# Altium PCB MU_MP_39_V1_ASMB.PcbDoc (part 9 of 15) (continued)
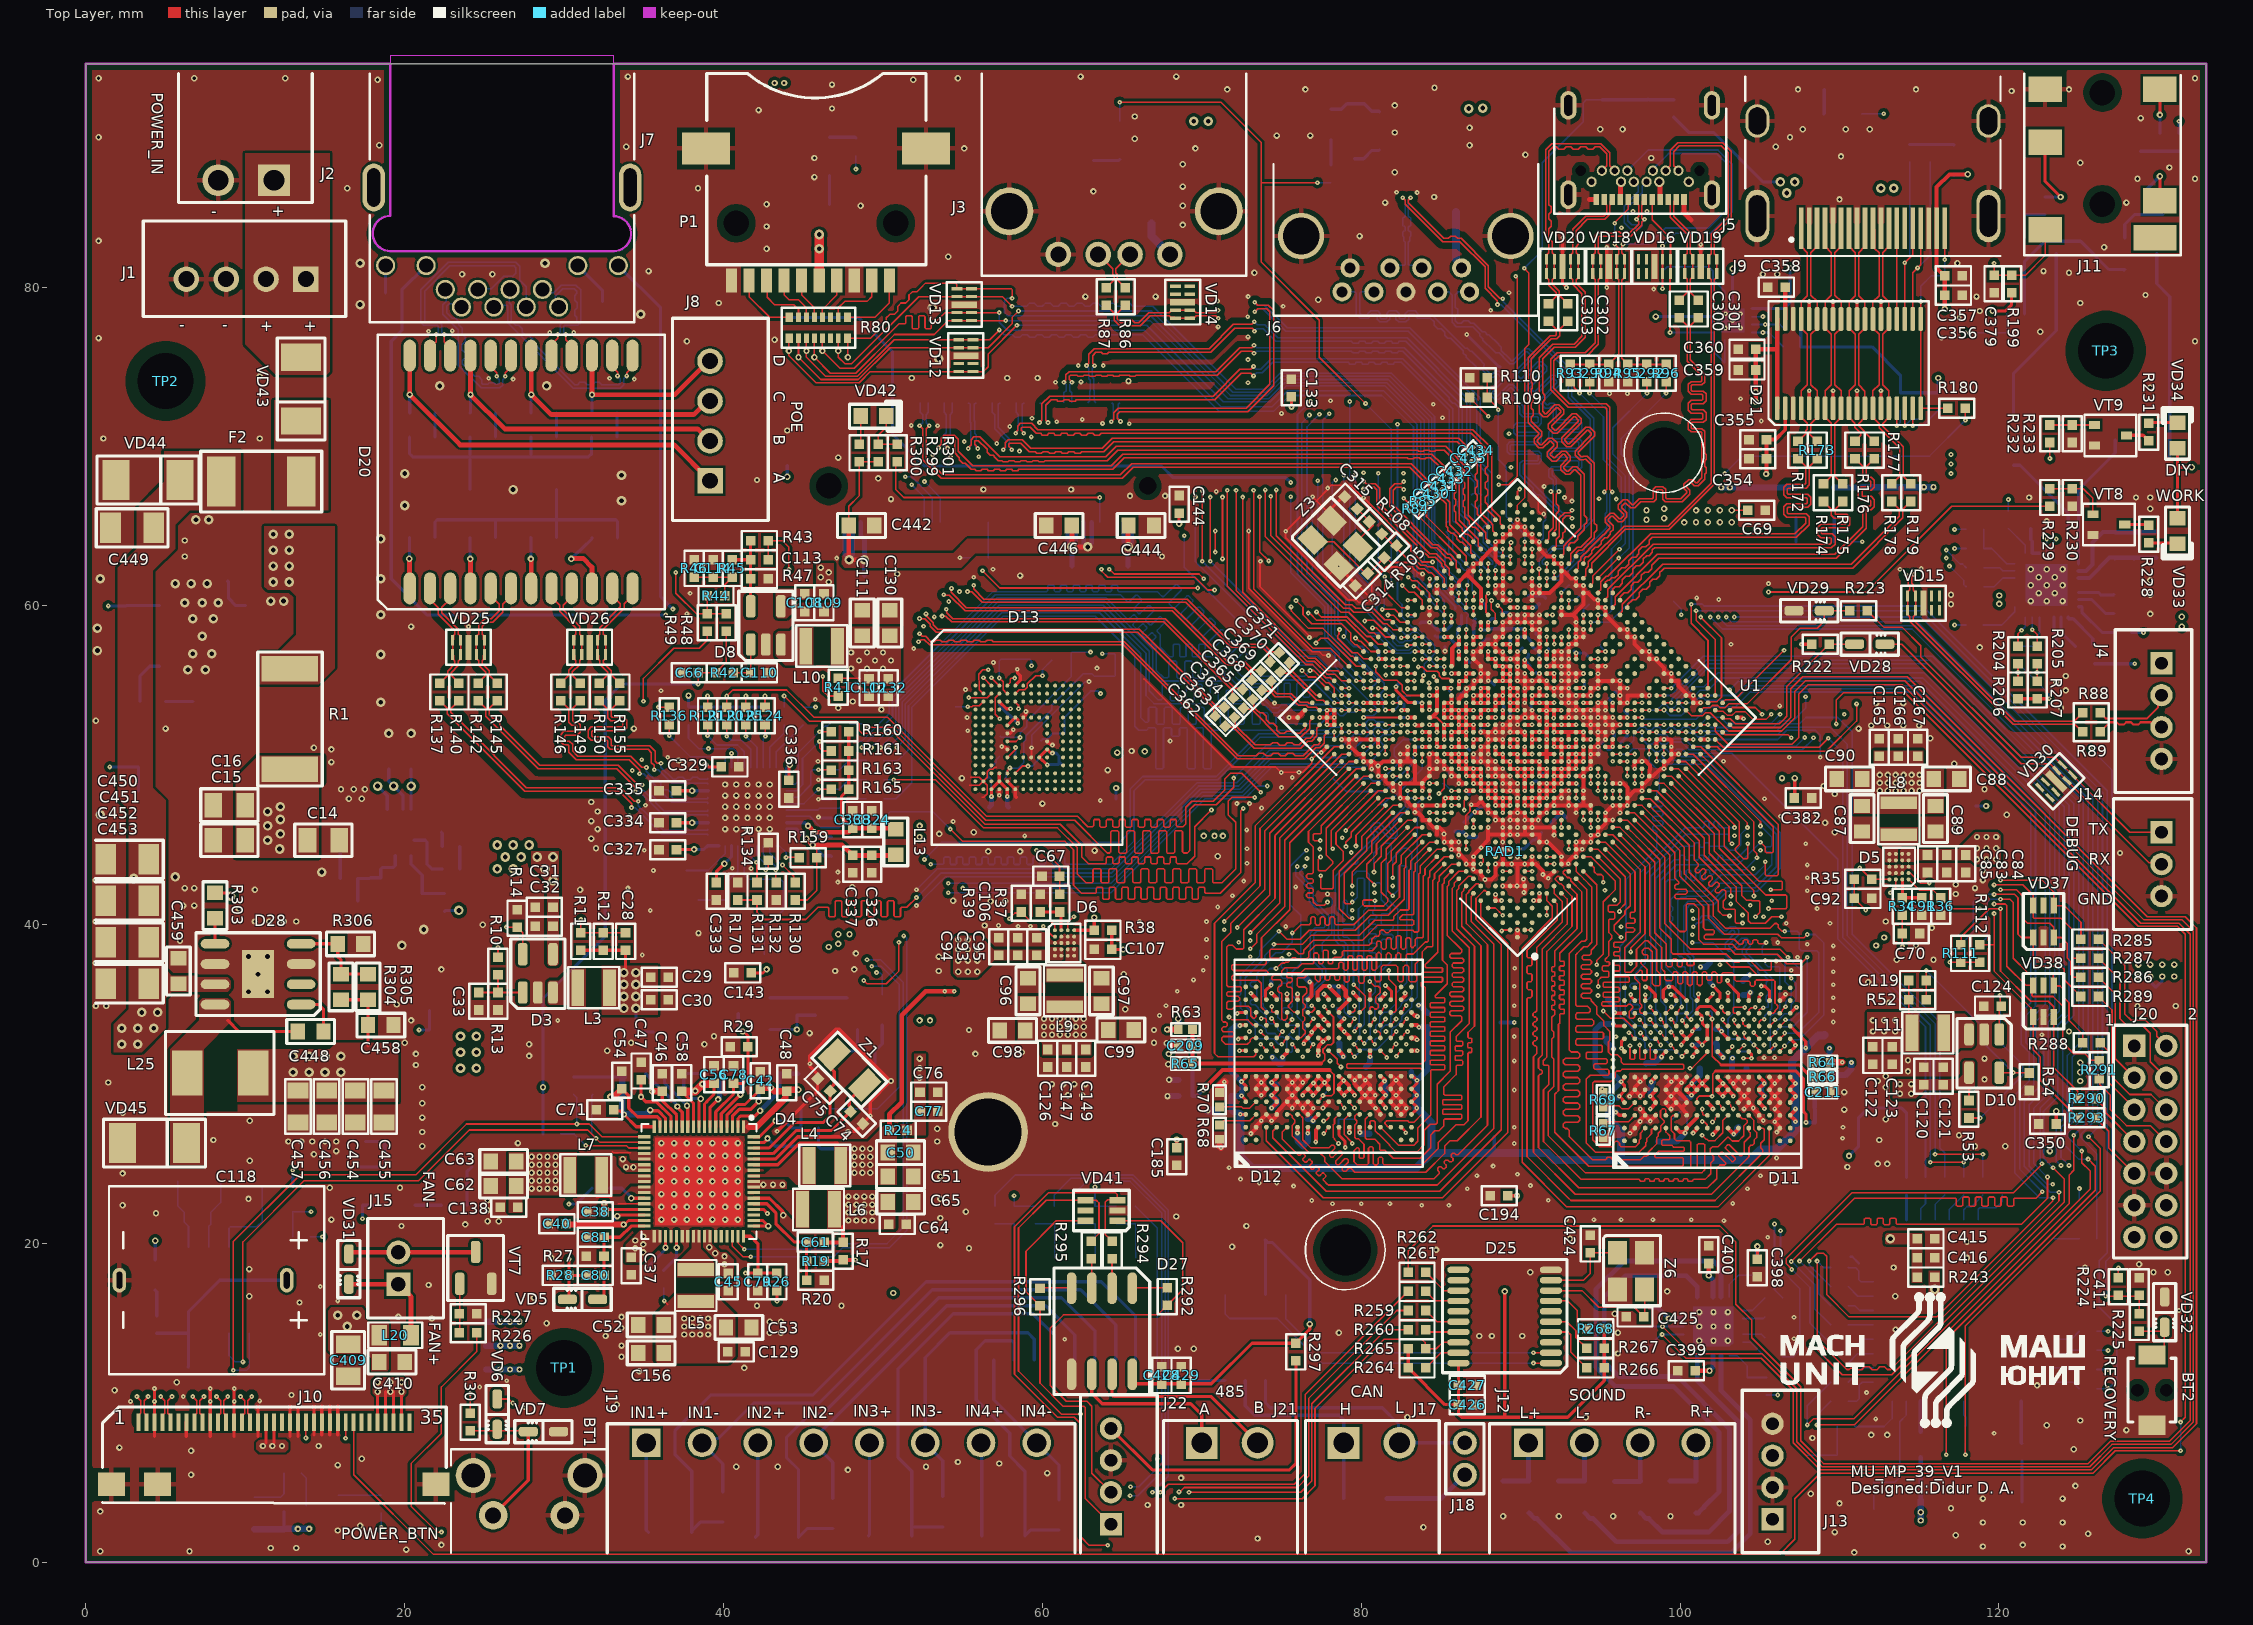
[diagram p0: Top Layer view]
## Nets (pads, with @x,y where several pads share a name; then routed paths per layer and width w, separated by ;. In a path a pad name is that pad's centre, name@x,y a point inside that pad or via, vN(x,y) a via of type N, cw(c..) or ccw(c..) an arc to the next point about the centre after c; other vN are vias at no path point) (continued)
HDMITX1_P: R174.1 U1.AK18 | length 21.9
  Top Layer w0.08: U1.AK18@95.315,60.354 95.315,60.413 95.471,60.569 95.471,61.047 98.304,63.88 109.405,63.88 109.495,63.97 109.495,64.123 109.495,64.23 109.438,64.287 108.821,64.287 108.629,64.479 108.629,64.935 108.821,65.127 110.365,65.127 110.422,65.184 110.422,65.45 110.365,65.507 109.687,65.507 109.495,65.699 109.495,65.925 109.495,66.055 R174.1@109,66.55
HDMITX2_N: R173.1 U1.AL19 | length 24.5
  Top Layer w0.08: U1.AL19@95.315,61.273 95.32,61.278 95.32,61.49 95.453,61.623 95.573,61.623 95.675,61.725 95.703,61.753 95.915,61.753 96.128,61.965 96.128,62.189 96.34,62.401 96.563,62.401 96.775,62.613 96.775,62.837 96.987,63.049 97.211,63.049 97.423,63.261 97.423,63.484 97.635,63.696 97.859,63.696 98.071,63.909 98.071,64.121 98.187,64.237 98.25,64.3 107.3,64.3 108.105,65.105 108.105,65.4 108.105,65.603 107.913,65.794 106.792,65.794 106.735,65.851 106.735,66.117 106.792,66.174 108.023,66.174 108.215,66.366 108.215,66.823 108.023,67.014 106.792,67.014 106.735,67.071 106.735,67.337 106.792,67.394 107.913,67.394 108.105,67.586 108.105,68.45 108.105,68.73 R173.1@108.6,69.225
HDMITX2_P: R172.1 U1.AK19 | length 24.5
  Top Layer w0.08: U1.AK19@94.856,60.814 94.856,60.873 95.011,61.028 95.011,61.506 95.358,61.853 95.478,61.853 98.155,64.53 107.205,64.53 107.875,65.2 107.875,65.4 107.875,65.507 107.818,65.564 106.697,65.564 106.505,65.756 106.505,66.213 106.697,66.404 107.928,66.404 107.985,66.461 107.985,66.727 107.928,66.784 106.697,66.784 106.505,66.976 106.505,67.433 106.697,67.624 107.818,67.624 107.875,67.681 107.875,68.45 107.875,68.75 R172.1@107.4,69.225
HDMITXC_N: R179.1 U1.AL16 | length 21.3
  Top Layer w0.08: U1.AL16@96.694,59.894 96.73,59.93 96.73,60.105 96.987,60.362 97.016,60.391 97.228,60.391 97.44,60.603 97.44,60.826 97.652,61.038 97.876,61.038 98.088,61.251 98.088,61.474 98.3,61.686 98.523,61.686 98.735,61.898 98.735,62.11 98.837,62.212 99,62.375 110.825,62.375 113.98,65.53 113.98,66.055 R179.1@114.475,66.55
HDMITXC_P: R178.1 U1.AK16 | length 21.5
  Top Layer w0.08: U1.AK16@96.235,59.435 96.235,59.494 96.39,59.649 96.39,60.09 98.905,62.605 110.73,62.605 113.75,65.625 113.75,66.075 R178.1@113.275,66.55
HOST0_D_N: R88.1 U1.AB31 VD15.4 | length 72.2
  Top Layer w0.09: v1(82.675,67.8) 82.667,67.8 82.517,67.65 82.1,67.65 81.8,67.35 81.8,66.25 84.4,63.65 84.725,63.65 85.348,63.027 85.49,63.027 85.653,62.864 85.653,62.663 U1.AB31@85.663,62.652 ; v1(114.675,61.975) 114.675,61.967 114.525,61.817 114.525,61.425 114.625,61.325 114.625,61 114.707,60.918 114.72,60.918 114.775,60.863 VD15.4@114.775,59.725 114.72,59.67 114.72,59.42 114.625,59.325 114.625,59.133 120.983,52.775 124.725,52.775 R88.1@125.25,53.3
  Inner_Layer w0.11: v1(82.675,67.8) 82.699,67.8 82.834,67.665 83.065,67.665 86.5,71.1 86.5,71.525 89.15,74.175 113.175,74.175 116.55,70.8 116.55,65.275 114.525,63.25 114.525,62.134 114.675,61.984 v1(114.675,61.975)
HOST0_D_P: R89.1 U1.AB30 VD15.5 | length 72.3
  Top Layer w0.09: v1(82.675,67.3) 82.667,67.3 82.517,67.45 82.183,67.45 82,67.267 82,66.333 84.483,63.85 84.808,63.85 85.431,63.227 85.573,63.227 85.975,62.825 85.975,62.397 86.123,62.249 U1.AB30@86.123,62.192 ; v1(114.175,61.953) 114.175,61.945 114.325,61.795 114.325,61.342 114.425,61.242 114.425,61.025 114.33,60.93 114.33,60.68 VD15.5@114.275,60.625 114.275,59.487 114.33,59.432 114.33,59.42 114.425,59.325 114.425,59.05 120.9,52.575 124.775,52.575 R89.1@125.25,52.1
  Inner_Layer w0.11: v1(82.675,67.3) 82.699,67.3 82.834,67.435 83.16,67.435 86.73,71.005 86.73,71.43 89.245,73.945 113.08,73.945 116.32,70.705 116.32,65.37 114.295,63.345 114.295,62.112 114.175,61.993 v1(114.175,61.953)
HOST1_D_N: R86.1 U1.AA31 VD14.4 | length 42.3
  Top Layer w0.09: R86.1@65.2,78.85 64.7,78.35 64.7,78 64.925,77.775 65.025,77.775 65.18,77.775 65.33,77.925 65.63,77.925 65.78,77.775 65.825,77.775 66.05,77.775 66.675,78.4 67.95,78.4 68.045,78.495 68.295,78.495 VD14.4@68.35,78.55 VD14.4@69.25,78.55 69.305,78.495 69.555,78.495 69.65,78.4 70.04,78.4 70.867,78.4 71.017,78.55 v1(71.025,78.55) ; v1(80.15,67.325) 80.158,67.325 80.308,67.475 80.792,67.475 80.975,67.292 80.975,66.317 83.484,63.809 83.515,63.777 83.515,63.59 83.728,63.377 83.915,63.377 84.159,63.134 84.231,63.062 84.638,63.062 85.05,62.65 85.05,62.525 85.18,62.395 85.18,62.216 U1.AA31@85.204,62.192
  Inner_Layer w0.11: v1(71.025,78.55) 71.016,78.55 70.866,78.4 70.025,78.4 68.72,77.095 68.72,66.655 69.78,65.595 77.935,65.595 79.8,67.46 79.991,67.46 80.126,67.325 v1(80.15,67.325)
HOST1_D_P: R87.1 U1.AA30 VD14.5 | length 42.5
  Top Layer w0.09: R87.1@64,78.85 64.5,78.35 64.5,77.917 64.842,77.575 66.133,77.575 66.758,78.2 67.95,78.2 68.045,78.105 68.295,78.105 VD14.5@68.35,78.05 VD14.5@69.25,78.05 69.305,78.105 69.555,78.105 69.65,78.2 70.123,78.2 70.878,78.2 71.028,78.05 v1(71.036,78.05) ; v1(80.15,67.825) 80.158,67.825 80.308,67.675 80.875,67.675 81.175,67.375 81.175,66.4 84.313,63.262 84.721,63.262 85.25,62.733 85.25,62.608 85.525,62.333 85.525,61.928 85.663,61.79 U1.AA30@85.663,61.733
  Inner_Layer w0.11: v1(71.036,78.05) 70.997,78.05 70.877,78.17 70.12,78.17 68.95,77 68.95,66.75 69.875,65.825 77.84,65.825 79.705,67.69 79.991,67.69 80.126,67.825 v1(80.15,67.825)
HOST_D0_N: J4.2 R88.2 | length 4.9
  Top Layer w0.13: R88.2@126.35,53.3 126.7,52.95 129.3,52.95 129.972,53.622 129.972,54.172 J4.2@130.2,54.4
HOST_D0_P: J4.3 R89.2 | length 4.5
  Top Layer w0.13: R89.2@126.35,52.1 126.95,52.7 127.325,52.7 127.39,52.7 127.541,52.549 127.841,52.549 127.992,52.7 128.292,52.7 128.444,52.549 128.744,52.549 128.895,52.7 129,52.7 129.556,52.7 129.856,52.4 J4.3@130.2,52.4
HOST_D1_N: J3.2 R86.2 | length 2.7
  Top Layer w0.09: R86.2@65.2,79.95 64.7,80.45 64.7,80.8 64.6,80.9 64.6,81.15 J3.2@65.5,82.05
HOST_D1_P: J3.3 R87.2 | length 2.7
  Top Layer w0.09: J3.3@63.5,82.05 64.4,81.15 64.4,80.817 64.5,80.717 64.5,80.45 R87.2@64,79.95
HP_DET: C379.1 J11.7 R199.1 U1.H27 | length 73.8
  Top Layer w0.1: v1(80.631,54.372) 80.638,54.379 U1.H27@81.067,54.379 ; v1(119.7,81.5) C379.1@119.7,80.75 R199.1@120.8,80.75 121.675,80.75 122.9,81.975 J11.7@122.9,83.6
  Inner_Layer w0.1: v1(76.75,71.975) 77.3,72.525 79.55,72.525 83.525,76.5 105.5,76.5 106.6,77.6 106.6,78.4 108.3,80.1 118.325,80.1 119.7,81.475 v1(119.7,81.5)
  Bottom Layer w0.08: 79.464,56.861 80.266,56.059 80.307,56.059 80.477,55.889 80.477,55.848 80.94,55.385 80.94,55.163 80.631,54.854 v1(80.631,54.372)
  Bottom Layer w0.1: v1(76.75,71.975) 76.75,71.95 76.275,71.475 76.275,62.025 78.13,60.17 78.13,58.12 79.389,56.861 79.464,56.861
HPO_L: C377.1 D22.15 | length 8.7
  Bottom Layer w0.2: D22.15@125,62.65 125,67.3 126.5,68.8 127.3,69.6 C377.1@127.3,70 C377.1@127.3,70.4
HPO_R: C376.1 D22.14 | length 7.2
  Bottom Layer w0.2: C376.1@120.925,68.825 121.325,68.825 122.125,68.025 124.35,65.8 D22.14@124.35,63.3
HPVDD: C407.2 C408.1 D22.16 L19.1 | length 6.7
  Bottom Layer w0.25: D22.16@125,62.2 125.475,62.2 125.875,62.6 125.875,63.975 126.525,64.625 C408.1@127.275,64.625 ; C408.1@127.275,64.65 C408.1@127.3,64.625
  Bottom Layer w0.3: C408.1@127.3,64.625 128.425,64.625 C407.2@128.45,64.65 ; C407.2@128.45,64.625 L19.1@129.775,64.625 ; L19.1@129.775,64.65 L19.1@129.85,64.65
HW_ID: R109.1 R110.2 U1.AH27 | length 11.7
  Top Layer w0.1: R110.2@87.9,74.3 R109.1@87.9,73.075 88.562,72.413 88.562,72.338 v1(88.6,72.3)
  Top Layer w0.11: v1(90.257,64.024) 90.26,64.021 U1.AH27@90.26,63.571
  Bottom Layer w0.1: v1(88.6,72.3) 88.6,69.2 89.1,68.7 89.1,65.615 90.257,64.458 v1(90.257,64.024)
I2C0_SCL_PMIC: D4.19 D5.A3 D6.A3 D9.6 R116.2 U1.N30 | length 218.3
  Top Layer w0.1: v1(9.85,12.575) 9.85,20.1 13.7,23.95 20.875,23.95 24.05,27.125 31.475,27.125 32.255,26.345 D4.19@35.022,26.345 ; D6.A3@61.586,39.659 61.586,40.136 61.95,40.5 v1(61.975,40.5) ; v1(113.186,42.002) 113.544,42.359 D5.A3@113.544,42.836
  Top Layer w0.11: v1(80.708,58.619) 80.72,58.631 80.945,58.631 81.52,58.056 U1.N30@81.986,58.056
  Inner_Layer w0.1: v1(32,26.6) 32,29.9 32.7,30.6 34.7,30.6 39.8,35.7 49.7,35.7 50.4,36.4 50.4,38.125 ; v1(80.708,58.619) 80.708,59.04 80.393,59.355 79.968,59.355 76.823,62.5 69.4,62.5 65.8,58.9 56.9,58.9 53.9,55.9 53.9,49.8 50.4,46.3 50.4,38.125 ; v1@113.2,42 113.2,41.1 110.6,38.5 110.6,34 108.5,31.9 108.5,24.5 104.6,20.6 95.1,20.6 93.2,18.7 83.4,18.7 81,21.1 80.3,21.8 69.1,21.8 63.7,27.2 63.7,38.775 v1(61.975,40.5) 61.025,39.55 53.2,39.55 51.775,38.125 50.4,38.125
  Bottom Layer w0.1: D9.6@8.975,14.375 8.975,12.975 9.375,12.575 v1(9.85,12.575) ; R116.2@31.8,29.35 31.725,29.275 31.725,26.875 v1(32,26.6)
I2C0_SDA_PMIC: D4.18 D5.B1 D6.B1 D9.5 R115.2 U1.M26 | length 225.4
  Top Layer w0.1: v1(9.25,12.05) 9.25,20.125 13.45,24.325 20.7,24.325 23.875,27.5 31.575,27.5 32.38,26.695 D4.18@35.022,26.695 ; v1(48.8,36.5) 49,36.3 50.2,36.3 51,37.1 v1(51,38.9) ; v1(60.05,39.9) 60.05,39.89 60.657,39.283 60.762,39.283 D6.B1@60.786,39.259 ; v1(82.908,55.758) U1.M26@83.365,55.758 ; D5.B1@114.353,43.227 114.458,43.227 115.085,42.6 115.613,42.6 v1(115.635,42.621)
  Inner_Layer w0.1: v1(30.8,27.5) 30.8,30.2 32.1,31.5 34.7,31.5 39.7,36.5 v1(48.8,36.5) ; v1(60.05,39.9) 60.05,40.7 ; v1(82.908,55.758) 82.908,56.242 82.491,56.659 82.491,57.196 81.506,58.181 80.719,58.181 80.2,58.7 79.95,58.7 76.65,62 69.6,62 66,58.4 57.1,58.4 54.4,55.7 54.4,49.6 51,46.2 v1(51,38.9) 51.475,38.9 53.275,40.7 60.05,40.7 ; v1(115.635,42.621) 115.613,42.6 113,42.6 112.8,42.4 112.8,41.1 110.3,38.6 110.3,34.1 108.2,32 108.2,24.6 104.5,20.9 95,20.9 93.1,19 83.5,19 80.4,22.1 69.3,22.1 64,27.4 64,39.1 62.1,41 61.8,41 61.5,40.7 60.05,40.7
  Bottom Layer w0.1: v1(9.25,12.05) 10.075,12.05 10.245,12.22 D9.5@10.245,14.375 ; R115.2@30.6,29.35 30.8,29.15 v1(30.8,27.5)
I2C1_SCL: R204.1 R206.2 U1.Y6 | length 31.3
  Top Layer w0.1: R206.2@121.2,55.275 R204.1@121.2,56.375
  Top Layer w0.11: U1.Y6@96.235,50.242 v1(96.694,50.244) v1(96.694,50.244)
  Inner_Layer w0.1: v1(96.694,50.244) 97.182,50.244 97.573,49.853 98.105,49.853 99.257,48.7 108.3,48.7 110.725,51.125 110.725,54 112.55,55.825 v1(121.2,55.825)
I2C1_SCL_AUDIO: D22.28 R204.2 | length 2
  Top Layer w0.1: R204.2@121.2,57.475 121.2,58.25 v1(121.425,58.475)
  Bottom Layer w0.1: v1(121.425,58.475) 121.65,58.7 D22.28@121.65,59.3
I2C1_SDA: R205.1 R207.2 U1.AG1 | length 24.5
  Top Layer w0.1: U1.AG1@101.75,51.162 102.338,51.162 102.625,50.875 109.175,50.875 111.075,52.775 v1(111.075,53.85) ; R207.2@122.4,55.275 R205.1@122.4,56.375
  Inner_Layer w0.1: v1(111.075,53.85) 112.65,55.425 122,55.425 v1(122.4,55.825)
I2C1_SDA_AUDIO: D22.27 R205.2 | length 1.9
  Top Layer w0.1: v1(122.1,58.5) 122.4,58.2 R205.2@122.4,57.475
  Bottom Layer w0.1: v1(122.1,58.5) D22.27@122.1,59.3
I2C3_SCL_HDMI: D21.17 R182.1 U1.AL2 | length 26.8
  Top Layer w0.1: v1(114.1,71.3) D21.17@114.1,72.4
  Top Layer w0.11: U1.AL2@103.129,53.46 103.294,53.625 104.725,53.625 v1(105.15,53.2)
  Inner_Layer w0.1: v1(105.15,53.2) 105.15,56.825 106.5,58.175 106.5,63.7 v1(114.1,71.3)
  Bottom Layer w0.1: v1(114.1,71.3) 114.5,71.7 114.9,71.7 115.025,71.825 R182.1@115.025,72.275
I2C3_SDA_HDMI: D21.18 R183.1 U1.AG6 | length 31.1
  Top Layer w0.1: v1(114.6,71.3) D21.18@114.6,72.4
  Top Layer w0.11: U1.AG6@99.452,53.46 99.901,53.46 v1(99.911,53.469)
  Inner_Layer w0.1: v1(99.911,53.469) 99.914,53.469 100.07,53.625 104.325,53.625 104.7,54 104.7,57 106.1,58.4 106.1,64.3 113.45,71.65 114.25,71.65 v1(114.6,71.3)
  Bottom Layer w0.1: v1(114.6,71.3) 115.225,71.3 R183.1@116.2,72.275
I2C4_SCL: R118.2 R288.1 U1.P30 VD38.4 | length 117.9
  Top Layer w0.1: v1(74.325,66.875) 74.325,64.411 78.886,59.85 79.275,59.85 79.528,59.597 80.678,59.597 81.389,58.886 81.623,58.886 81.993,58.515 U1.P30@82.446,58.515 ; v1(120.1,41.6) 120.112,41.588 120.712,41.588 120.9,41.4 120.9,37.9 121.8,37 123.3,37 123.4,36.9 123.4,36.65 VD38.4@123.541,36.509 ; VD38.4@123.45,36.2 123.491,36.159 123.841,36.159 124.1,35.9 124.1,35.4 124.4,35.1 124.4,34 125.25,33.15 R288.1@125.25,32.5
  Inner_Layer w0.1: v1(74.325,66.875) 74.325,68.475 76.825,70.975 80.5,70.975 84.925,75.4 118.3,75.4 126.2,67.5 126.2,52.4 126.7,51.9 126.7,47.7 120.6,41.6 v1(120.1,41.6)
  Bottom Layer w0.1: R118.2@118.8,38.75 119.275,39.225 119.275,41.4 119.475,41.6 v1(120.1,41.6)
I2C4_SDA: R117.2 R289.2 U1.P31 VD37.1 | length 114.8
  Top Layer w0.1: v1(74.675,67.275) 74.675,64.406 79.006,60.075 79.425,60.075 79.65,59.85 80.75,59.85 81.475,59.125 81.828,59.125 81.978,58.975 U1.P31@81.986,58.975 ; v1(119.7,41.9) 121,41.9 121.2,41.7 121.2,39.4 121.4,39.2 VD37.1@122.15,39.2 ; VD37.1@122.15,38.8 122.15,37.459 122.209,37.4 123.9,37.4 124.1,37.2 124.1,36.55 R289.2@125.15,35.5
  Inner_Layer w0.1: v1(74.675,67.275) 74.675,68.4 77.05,70.775 80.6,70.775 85.025,75.2 118,75.2 125.9,67.3 125.9,52.3 126.5,51.7 126.5,47.9 120.5,41.9 v1(119.7,41.9)
  Bottom Layer w0.1: R117.2@117.6,38.75 118.4,39.55 118.4,41.425 118.875,41.9 v1(119.7,41.9)
I2C7_SCL: D17.6 R114.2 U1.H28 | length 55.1
  Top Layer w0.1: v1(80.158,54.839) U1.H28@80.608,54.838
  Inner_Layer w0.1: v1(76.825,72.825) 81.8,77.8 89.1,77.8 90.4,79.1 105,79.1 105.625,78.475 105.625,77.925 v1(105.35,77.65)
  Bottom Layer w0.1: D17.6@104.515,77.65 v1(105.35,77.65) 106.275,77.65 R114.2@106.475,77.45
  Bottom Layer w0.11: v1(76.825,72.825) 76,72 76,62 77.92,60.08 77.92,58.03 79.323,56.627 79.323,56.137 80.158,55.302 v1(80.158,54.839)
I2C7_SDA: D17.7 R113.2 U1.G30 | length 60.6
  Top Layer w0.1: v1(72.15,67.25) 72.15,60.975 76.6,56.525 77.05,56.525 77.852,55.723 78.34,55.723 78.764,55.298 78.827,55.298 U1.G30@79.229,55.298
  Inner_Layer w0.1: v1(72.15,67.25) 72.15,69.8 80.55,78.2 89,78.2 90.2,79.4 105.175,79.4 105.95,78.625 105.95,77.7 105.412,77.162 105.212,77.162 v1(105.2,77.15)
  Bottom Layer w0.1: D17.7@104.515,77.15 v1(105.2,77.15) 105.575,77.15 R113.2@106.475,76.25
I2S1_LRCK_RX: R211.1 U1.AA7 | length 29.4
  Top Layer w0.1: U1.AA7@96.235,51.162 96.693,51.162 v1(96.694,51.163)
  Inner_Layer w0.1: v1(106.275,53.2) 107.2,53.2 116.1,62.1 116.1,63.675 v1(117.225,64.8)
  Bottom Layer w0.1: v1(96.694,51.163) 97.109,51.578 97.109,52.009 97.487,52.387 97.796,52.387 97.947,52.237 98.227,52.237 98.378,52.387 98.688,52.387 98.875,52.2 99.125,52.2 99.312,52.387 99.581,52.387 99.732,52.237 100.039,52.237 100.19,52.387 100.556,52.387 100.699,52.245 100.711,52.245 100.718,52.238 100.963,52.238 101.75,53.025 102.525,53.025 102.925,52.625 105.7,52.625 v1(106.275,53.2) ; v1(117.225,64.8) R211.1@117.95,64.8
I2S1_LRCK_TX: R212.1 U1.AJ1 | length 21.3
  Top Layer w0.11: U1.AJ1@102.669,52.081 102.673,52.081 102.829,51.925 106.775,51.925 v1(106.975,51.725)
  Inner_Layer w0.1: v1(106.975,51.725) 107.025,51.725 117.225,61.925 v1(117.225,63.6)
  Bottom Layer w0.1: v1(117.225,63.6) R212.1@117.95,63.6
I2S1_SCLK: R209.1 U1.AF3 | length 23.1
  Top Layer w0.1: U1.AF3@100.371,51.621 100.829,51.621 v1(100.83,51.623)
  Inner_Layer w0.1: v1(100.83,51.623) 101.298,51.623 101.875,52.2 107.15,52.2 116.9,61.95 v1(116.9,62.5)
  Bottom Layer w0.1: v1(116.9,62.5) 117.809,61.591 117.809,61.341 R209.1@117.95,61.2
I2S1_SDI0: R213.1 U1.AD6 | length 31.3
  Top Layer w0.1: U1.AD6@98.073,52.081 98.531,52.081 v1(98.532,52.082)
  Inner_Layer w0.1: v1(107.825,51.75) 107.825,52.225 120.6,65 v1(120.6,66.675)
  Bottom Layer w0.1: v1(98.532,52.082) 98.692,51.923 99.116,51.923 99.364,51.675 100.275,51.675 100.75,51.2 107.275,51.2 v1(107.825,51.75) ; R213.1@120.6,65.95 v1(120.6,66.675)
I2S1_SDO0: R210.1 U1.AC6 | length 27.1
  Top Layer w0.1: U1.AC6@97.614,51.621 98.069,51.621 v1(98.073,51.625)
  Inner_Layer w0.1: v1(98.073,51.625) 98.073,52.073 98.925,52.925 100.3,52.925 100.595,53.22 102.905,53.22 103.5,52.625 106.925,52.625 116.3,62 116.3,63.1 v1(116.7,63.5)
  Bottom Layer w0.1: v1(116.7,63.5) 117.569,62.631 117.719,62.631 R210.1@117.95,62.4
I2S_CLK: R208.1 U1.AC7 | length 25.2
  Top Layer w0.1: U1.AC7@97.154,52.081 97.612,52.081 v1(97.613,52.082)
  Inner_Layer w0.1: v1(108.375,51.725) 108.375,52.05 115.125,58.8 v1(117.225,58.8)
  Bottom Layer w0.1: v1(97.613,52.082) 97.613,51.66 97.949,51.325 98.234,51.325 98.372,51.463 98.709,51.463 98.85,51.323 99.142,51.323 99.283,51.463 100.087,51.463 100.575,50.975 107.675,50.975 108.375,51.675 v1(108.375,51.725) ; v1(117.225,58.8) R208.1@117.95,58.8
IN1_N: J19.2 U2.2 VD35.1 | length 36.6
  Bottom Layer w0.2: J19.2@38.65,7.475 39.95,6.175 VD35.1@39.95,4.425 ; J19.2@38.65,7.5 38.924,7.774 39.674,7.774 41.9,10 46,10 53.1,17.1 62.4,17.1 64.6,14.9 64.6,12.725 U2.2@64.575,12.7
IN1_P: J19.1 R271.2 R273.2 | length 5.7
  Bottom Layer w0.2: J19.1@35.15,7.475 35.15,2.025 R271.2@35.3,1.875
IN2_N: J19.4 U2.4 VD36.1 | length 26.4
  Bottom Layer w0.2: J19.4@45.65,7.475 46.85,6.275 VD36.1@46.85,4.025 ; J19.4@45.65,7.5 45.65,7.75 54,16.1 60.2,16.1 62.035,14.265 U2.4@62.035,12.7
IN2_P: J19.3 R272.2 R275.2 | length 6
  Bottom Layer w0.2: R275.2@42,1.575 42.15,1.725 J19.3@42.15,7.475
IN3_N: J19.6 U2.6 VD39.1 | length 20
  Bottom Layer w0.2: J19.6@52.65,7.475 53.75,6.375 VD39.1@53.75,4.125 ; J19.6@52.65,7.5 52.65,12.85 ; 54,14.2 52.65,12.85 ; U2.6@59.495,12.7 59.495,14.005 59.1,14.4 54.2,14.4 52.65,12.85
IN3_P: J19.5 R278.2 R279.2 | length 5.8
  Bottom Layer w0.2: R279.2@49.1,1.675 49.15,1.725 J19.5@49.15,7.475
IN4_N: J19.8 U2.8 VD40.1 | length 10.4
  Bottom Layer w0.2: U2.8@56.955,12.7 56.955,10.195 J19.8@59.65,7.5 ; J19.8@59.65,7.475 61.05,6.075 VD40.1@61.05,3.925
IN4_P: J19.7 R282.2 R283.2 | length 5.8
  Bottom Layer w0.2: J19.7@56.15,7.475 56.2,7.425 R282.2@56.2,4.425 R283.2@56.2,1.675
LCD_BL_PWM0: J10.28 U1.AF5 | length 199.1
  Top Layer w0.1: J10.28@16.8,8.8 16.8,5.5 21.8,0.5 106.25,0.5 107.2,1.45 107.2,4 108.8,5.6 125.9,5.6 127.3,7 v1(131.4,7) ; v1(109.8,52.6) 109.8,54.1 110.25,54.55 114.095,54.55 128.745,39.9 131.2,39.9 131.7,39.4 131.7,10.175 ; v1(131.4,8.8) 131.7,9.1 131.7,10.175 ; 131.7,10.5 131.7,10.175
  Top Layer w0.11: U1.AF5@99.452,52.54 99.462,52.55 99.903,52.55 v1(99.911,52.542)
  Inner_Layer w0.1: v1(99.911,52.542) 99.911,52.014 100.65,51.275 109.375,51.275 109.8,51.7 v1(109.8,52.6)
  Bottom Layer w0.1: v1(131.4,7) v1(131.4,8.8)
LDO5V0_SYS: C27.1 C356.1 C357.1 C359.1 C360.1 D2.6 D21.1 D21.38 J9.18 VD9.1 VD27.1 | length 193
  Top Layer w0.25: C357.1@116.6,80.7 116.1,81.2 J9.18@116.1,83.7 116.1,86.275 116.9,87.075 v2(118.05,87.075)
  Top Layer w0.3: v2(104.75,72.8) v2(104.75,73.4) C359.1@104.75,74.8 C360.1@104.75,76.1 106.1,76.1 ; D21.1@106.1,72.4 106.1,76.1 ; D21.38@106.1,78 106.1,76.1 ; v2(116.6,78.625) C356.1@116.6,79.5 C357.1@116.6,80.7
  POWER_1 w0.3: v2(104.75,72.8) v2(104.75,73.4) 104.75,75.225
  POWER_1 w0.4: v3(20.4,48.7) 21.3,49.6 21.3,63.1 27.7,69.5 33.5,69.5 35.8,71.8 35.8,76.625 36.975,77.8 53.25,77.8 54.9,76.15 64.55,76.15 68.375,72.325 73.325,72.325 76.225,75.225 104.75,75.225 113.2,75.225 v2(116.6,78.625)
  POWER_2 w0.2: v2(4.35,20.175) 5.8,21.625 5.8,36.1 10.1,40.4 10.1,48.425 11.225,49.55 19.55,49.55 v3(20.4,48.7)
  Bottom Layer w0.2: VD9.1@4.35,18.975 v2(4.35,20.175) ; D2.6@20.4,47.25 C27.1@20.4,49.75
  Bottom Layer w0.25: VD27.1@117.175,87.025 117.225,87.075 v2(118.05,87.075)
LED0: D19.32 R130.1 | length 3
  Top Layer w0.1: v1(43.7,43.75) 44.409,43.041 44.409,42.741 R130.1@44.5,42.65
  Bottom Layer w0.1: D19.32@42.9,44.95 42.9,44.5 43.65,43.75 v1(43.7,43.75)
LED1: D19.33 J7.12 R132.1 | length 74.5
  Top Layer w0.1: v1(43.275,43.425) 43.275,42.675 R132.1@43.3,42.65
  POWER_2 w0.2: v1(36.825,59.8) 36.825,58.525 38.475,56.875 42.375,56.875 44.9,54.35 44.9,53.6 45.4,53.1 46.25,53.1 48.225,51.125 48.225,47.425 50.675,44.975 53.725,44.975 56.075,42.625 56.075,41.5 54.775,40.2 43.75,40.2 42.3,41.65 42.3,43.57 42.505,43.775 42.795,43.775 43.126,43.444 43.256,43.444 v1(43.275,43.425)
  Bottom Layer w0.1: D19.33@42.5,44.95 42.5,44.425 43.275,43.65 v1(43.275,43.425)
  Bottom Layer w0.2: J7.12@33.4,81.35 36.05,78.7 36.05,60.575 v1(36.825,59.8)
LED2: D19.34 J7.10 R134.1 | length 87
  Top Layer w0.1: v1(42.65,43.425) 42.65,43.434 42.8,43.584 R134.1@42.8,44.05
  POWER_2 w0.2: v1(36.375,59.45) 36.375,58.15 38.175,56.35 42.4,56.35 44.45,54.3 44.45,53.275 45.075,52.65 46.1,52.65 47.775,50.975 47.775,47.175 50.425,44.525 53.575,44.525 55.45,42.65 55.45,41.65 54.45,40.65 43.975,40.65 42.65,41.975 v1(42.65,43.425)
  Bottom Layer w0.1: D19.34@42.1,44.95 42.1,44.35 42.65,43.8 v1@42.65,43.434
  Bottom Layer w0.2: J7.10@21.34,81.35 19.825,79.835 19.825,77.275 19.15,76.6 19.15,61.7 21.425,59.425 36.279,59.425 36.285,59.431 36.356,59.431 v1(36.375,59.45)
LIN2: C387.2 J13.1 | length 76.8
  POWER_1 w0.2: J13.1@105.8,2.7 108.9,5.8 114.2,5.8 115.9,7.5 118,7.5 125.7,15.2 129.4,15.2 132.4,18.2 132.4,47.3 131.7,48 129.225,48 128.525,48.7 v1(128.525,56.375)
  Bottom Layer w0.2: C387.2@126,56.375 v1(128.525,56.375)
LINE_OUTL: C388.2 D22.12 | length 66.6
  Inner_Layer w0.1: v1(106.3,20.8) 109.3,23.8 109.3,31.1 111.6,33.4 111.6,34.4 118.1,40.9 118.1,53.8 118.9,54.6 122.4,54.6 123.4,55.6 123.4,56.9 122.7,57.6 121.2,57.6 120.8,58 120.8,62.6 122,63.8 123.2,63.8 v1(123.6,64.2)
  Bottom Layer w0.1: v1(106.3,20.8) 106.3,18.4 107.5,17.2 107.5,13.3 107.1,12.9 C388.2@106.425,12.9 ; D22.12@123.45,63.3 123.45,64.05 v1(123.6,64.2)
LINE_OUTR: C383.2 D22.11 | length 62.1
  Inner_Layer w0.1: v1(105.925,21.225) 109,24.3 109,31.3 111.3,33.6 ; 111.3,34.3 111.3,33.6 ; v1(123,64.2) 121.9,64.2 120.5,62.8 120.5,57.9 121.1,57.3 122.5,57.3 123.1,56.7 123.1,55.7 122.3,54.9 118.8,54.9 117.8,53.9 117.8,41 111.3,34.5 111.3,33.6
  Bottom Layer w0.1: v1(105.925,21.225) 105.925,17.1 C383.2@106.425,16.6 ; D22.11@123,63.3 v1(123,64.2)
LOG_DVS_PWM: R44.1 R48.2 R49.2 U1.M28 | length 55.6
  Top Layer w0.1: v1(37,62.1) 37,60.8 38.3,59.5 R49.2@38.975,59.5 ; R44.1@38.975,60.65 R49.2@38.975,59.5 ; R44.1@39.075,60.7 R44.1@39.125,60.65 ; R48.2@40.175,59.5 R49.2@38.975,59.5 ; v1(56.25,62.2) 57.325,61.125 v1(69.75,61.125)
  Top Layer w0.11: v1(81.989,56.678) U1.M28@82.446,56.677
  POWER_1 w0.1: v1(37,62.1) 38.5,63.6 54.9,63.6 56.25,62.25 v1(56.25,62.2)
  Inner_Layer w0.1: v1(69.75,61.125) 69.925,61.3 76.306,61.3 78.51,59.096 78.929,59.096 79.75,58.275 80.05,58.275 80.651,57.674 81.443,57.674 81.989,57.128 v1(81.989,56.678)
LOUT: J11.3 R196.1 | length 3.2
  Top Layer w0.2: J11.3@130.1,85.4 v2(130.1,86.95)
  Bottom Layer w0.2: R196.1@129.2,85.65 129.283,85.733 129.283,86.133 v2(130.1,86.95)
MAC_CLK: R131.1 R170.2 U1.G24 | length 58.7
  Top Layer w0.11: R170.2@40.9,41.55 R131.1@42.1,41.55 42.1,40.8 42.575,40.325 45.15,40.325 45.925,41.1 46.113,41.1 46.531,41.1 46.596,41.036 46.596,40.565 46.657,40.504 46.944,40.504 47.006,40.565 47.006,41.449 47.067,41.51 47.354,41.51 47.416,41.449 47.416,40.565 47.477,40.504 47.764,40.504 47.826,40.565 47.826,41.449 47.887,41.51 48.174,41.51 48.236,41.449 48.236,40.565 48.297,40.504 48.584,40.504 48.646,40.565 48.646,41.449 48.707,41.51 48.994,41.51 49.056,41.449 49.056,40.565 49.117,40.504 49.404,40.504 49.466,40.565 49.466,41.449 49.527,41.51 49.814,41.51 49.876,41.449 49.876,40.565 49.937,40.504 50.224,40.504 50.286,40.565 50.286,41.449 50.347,41.51 50.634,41.51 50.696,41.449 50.696,40.565 50.757,40.504 51.044,40.504 51.106,40.565 51.106,41.036 51.17,41.1 51.225,41.1 51.5,41.1 v1(52.1,41.7) ; v1(81.53,52.542) 81.531,52.54 U1.G24@81.986,52.54
  Bottom Layer w0.11: v1(52.1,41.7) 53.65,43.25 64.35,43.25 69.8,48.7 72.3,48.7 74.325,50.725 77.1,50.725 77.33,50.495 79.018,50.495 80.48,51.957 80.48,52.207 80.275,52.412 80.275,52.67 80.478,52.873 80.783,52.873 80.931,52.725 81.346,52.725 v1(81.53,52.542)
MAC_CRS: R136.2 U1.B27 | length 55.2
  Top Layer w0.1: v1(35.9,53.65) R136.2@36.6,53.65
  Top Layer w0.11: U1.B27@78.31,51.621 78.309,52.079 v1(78.313,52.082)
  POWER_2 w0.1: v1(35.9,53.65) 36.975,54.725 42.825,54.725 43.15,54.4 43.15,53.875 46.625,50.4 46.625,47.675 50.2,44.1 v1(52.6,44.1)
  Bottom Layer w0.1: v1(52.6,44.1) 53.675,45.175 64.85,45.175 65.5,45.825 65.5,48.5 66.3,49.3 69.5,49.3 70.9,49.3 73.575,51.975 78.154,51.975 78.261,52.082 v1(78.313,52.082)
MAC_MDC: D19.13 U1.E29 | length 61.9
  Top Layer w0.1: v1(78.313,53.92) 78.314,53.919 U1.E29@78.769,53.919
  Inner_Layer w0.1: v1(40.5,50.75) 48.9,50.75 v1(49.275,51.125)
  Bottom Layer w0.1: D19.13@40.5,49.85 v1(40.5,50.75) ; v1(49.275,51.125) 50.8,52.65 50.8,54.15 57.15,60.5 64,60.5 65.302,59.198 65.337,59.163 65.422,59.163 65.691,59.431 65.776,59.431 65.974,59.233 65.974,59.149 65.687,58.862 65.687,58.777 65.885,58.579 65.97,58.579 66.257,58.866 66.341,58.866 66.539,58.668 66.539,58.583 66.252,58.296 66.252,58.211 66.45,58.013 66.535,58.013 66.822,58.3 66.907,58.3 67.105,58.102 67.105,58.017 66.836,57.748 66.836,57.664 67.001,57.499 67.15,57.35 67.15,55.95 67.613,55.487 67.8,55.487 67.85,55.487 67.925,55.562 67.925,56.468 68,56.543 68.35,56.543 68.425,56.468 68.425,55.549 68.5,55.474 68.85,55.474 68.925,55.549 68.925,56.468 69,56.543 69.35,56.543 69.425,56.468 69.425,55.549 69.5,55.474 69.85,55.474 69.925,55.549 69.925,56.468 70,56.543 70.35,56.543 70.425,56.468 70.425,55.549 70.5,55.474 70.85,55.474 70.925,55.549 70.925,55.895 71,55.97 71.35,55.97 71.425,55.895 71.425,55.562 71.5,55.487 71.601,55.487 71.787,55.487 72.15,55.125 74.25,55.125 74.7,55.125 74.76,55.065 74.76,54.317 74.82,54.257 75.1,54.257 75.16,54.317 75.16,55.086 75.22,55.146 75.5,55.146 75.56,55.086 75.56,54.317 75.62,54.257 75.9,54.257 75.96,54.317 75.96,55.086 76.02,55.146 76.3,55.146 76.36,55.086 76.36,54.317 76.42,54.257 76.7,54.257 76.76,54.317 76.76,55.065 76.82,55.125 77.049,55.125 77.109,55.125 v1(78.313,53.92)
MAC_MDIO: D19.14 R158.1 U1.G26 | length 64.3
  Top Layer w0.1: v1(80.61,53.461) 80.611,53.46 U1.G26@81.067,53.46
  Inner_Layer w0.1: v1(39.05,51.05) 39.104,51.05 39.179,51.125 v1(48.675,51.125)
  Bottom Layer w0.1: R158.1@37.8,52.55 37.8,51.7 38.45,51.05 v1(39.05,51.05) 40.624,51.05 40.9,50.774 D19.14@40.9,49.85 ; v1(48.675,51.125) 50.6,53.05 50.6,54.25 57.05,60.7 64.9,60.7 65.306,60.294 65.342,60.258 65.448,60.258 65.857,60.667 65.963,60.667 66.21,60.419 66.21,60.313 65.777,59.88 65.777,59.774 66.024,59.526 66.13,59.526 66.621,60.017 66.727,60.017 66.975,59.77 66.975,59.664 66.484,59.173 66.484,59.067 66.731,58.819 66.837,58.819 67.328,59.31 67.434,59.31 67.682,59.063 67.682,58.957 67.216,58.49 67.216,58.384 67.35,58.25 67.4,58.2 67.4,57.4 68,56.8 68.1,56.8 68.15,56.8 68.21,56.86 68.21,57.535 68.27,57.595 68.55,57.595 68.61,57.535 68.61,56.859 68.67,56.799 68.95,56.799 69.01,56.859 69.01,57.535 69.07,57.595 69.35,57.595 69.41,57.535 69.41,56.859 69.47,56.799 69.75,56.799 69.81,56.859 69.81,57.535 69.87,57.595 70.15,57.595 70.21,57.535 70.21,56.86 70.27,56.8 70.5,56.8 70.85,56.8 72.3,55.35 77.35,55.35 79.116,53.584 79.361,53.584 79.589,53.813 79.792,53.813 80.144,53.461 v1(80.61,53.461)
MAC_RXCLK: R135.2 U1.F25 | length 55.3
  Top Layer w0.1: v1(54.225,46) 55,45.225 61.425,45.225 61.95,44.7 61.95,42.475 62.45,41.975 63.279,41.975 63.329,41.975 63.389,42.035 63.389,42.295 63.449,42.355 63.729,42.355 63.789,42.295 63.789,41.657 63.849,41.597 64.129,41.597 64.189,41.657 64.189,42.295 64.249,42.355 64.529,42.355 64.589,42.295 64.589,41.657 64.649,41.597 64.929,41.597 64.989,41.657 64.989,42.295 65.049,42.355 65.329,42.355 65.389,42.295 65.389,41.657 65.449,41.597 65.729,41.597 65.789,41.657 65.789,42.295 65.849,42.355 66.129,42.355 66.189,42.295 66.189,41.657 66.249,41.597 66.529,41.597 66.589,41.657 66.589,42.295 66.649,42.355 66.929,42.355 66.989,42.295 66.989,41.657 67.049,41.597 67.329,41.597 67.389,41.657 67.389,42.295 67.449,42.355 67.729,42.355 67.789,42.295 67.789,41.657 67.849,41.597 68.129,41.597 68.189,41.657 68.189,42.295 68.249,42.355 68.529,42.355 68.589,42.295 68.589,41.657 68.649,41.597 68.929,41.597 68.989,41.657 68.989,42.295 69.049,42.355 69.329,42.355 69.389,42.295 69.389,41.657 69.449,41.597 69.729,41.597 69.789,41.657 69.789,42.295 69.849,42.355 70.129,42.355 70.189,42.295 70.189,42.035 70.249,41.975 70.625,41.975 71.15,41.975 72.45,43.275 72.45,47.141 72.6,47.291 v1(72.6,47.3)
  Top Layer w0.11: v1(80.61,52.542) 80.612,52.54 U1.F25@81.067,52.54
  Inner_Layer w0.1: v1(72.6,47.3) 72.6,48.6 73.8,49.8 73.8,50.9 75.1,52.2 75.995,52.2 77.125,53.33 77.52,53.33 77.748,53.102 77.964,53.102 78.192,53.33 78.446,53.33 78.675,53.102 78.878,53.102 79.107,53.33 79.368,53.33 80.028,52.67 80.482,52.67 v1(80.61,52.542)
  Bottom Layer w0.1: R135.2@50.05,46.7 50.45,47.1 53.125,47.1 v1(54.225,46)